# Altium PCB AGC_AD8317_ADL5330.PcbDoc
Units mm, origin at the board's own origin, x right, y up, seen from the top; angles counter-clockwise.
Board outline 59.72 x 37.39 mm, 4 copper layers (Top Layer, Layer 1, Layer 2, Bottom Layer), stack 0.603 mm thick; 69 components, 47 nets, 245 pads, 168 vias.
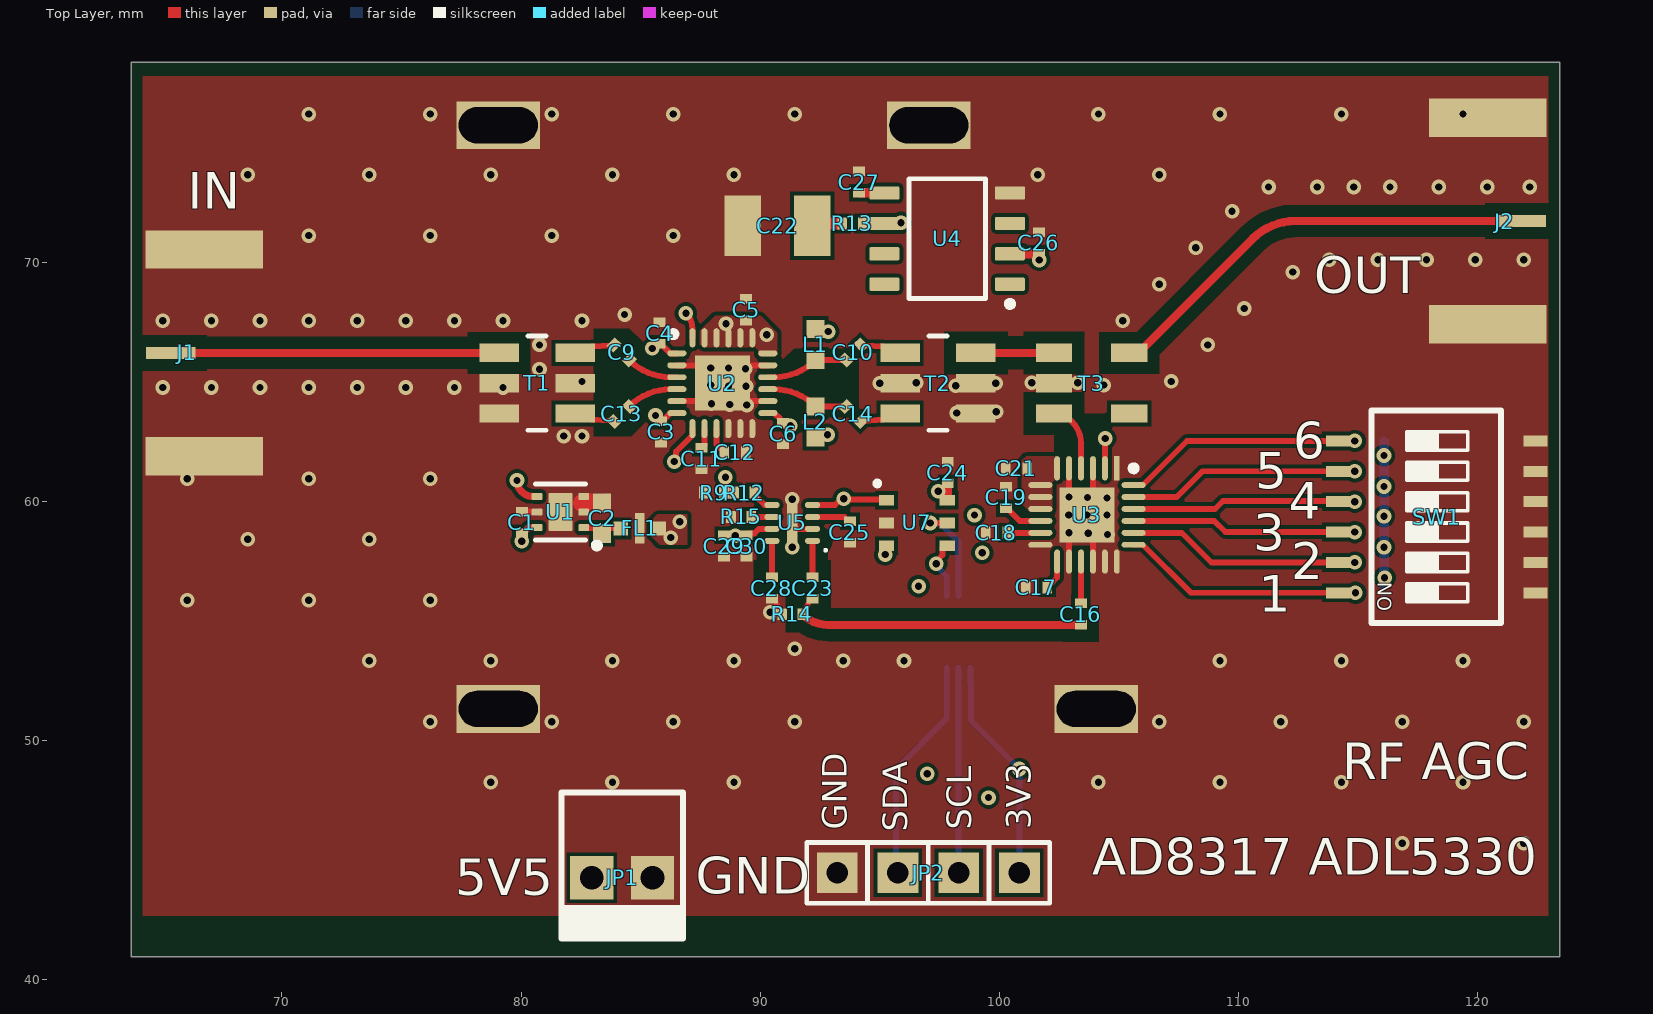
[diagram p0: Top Layer view]
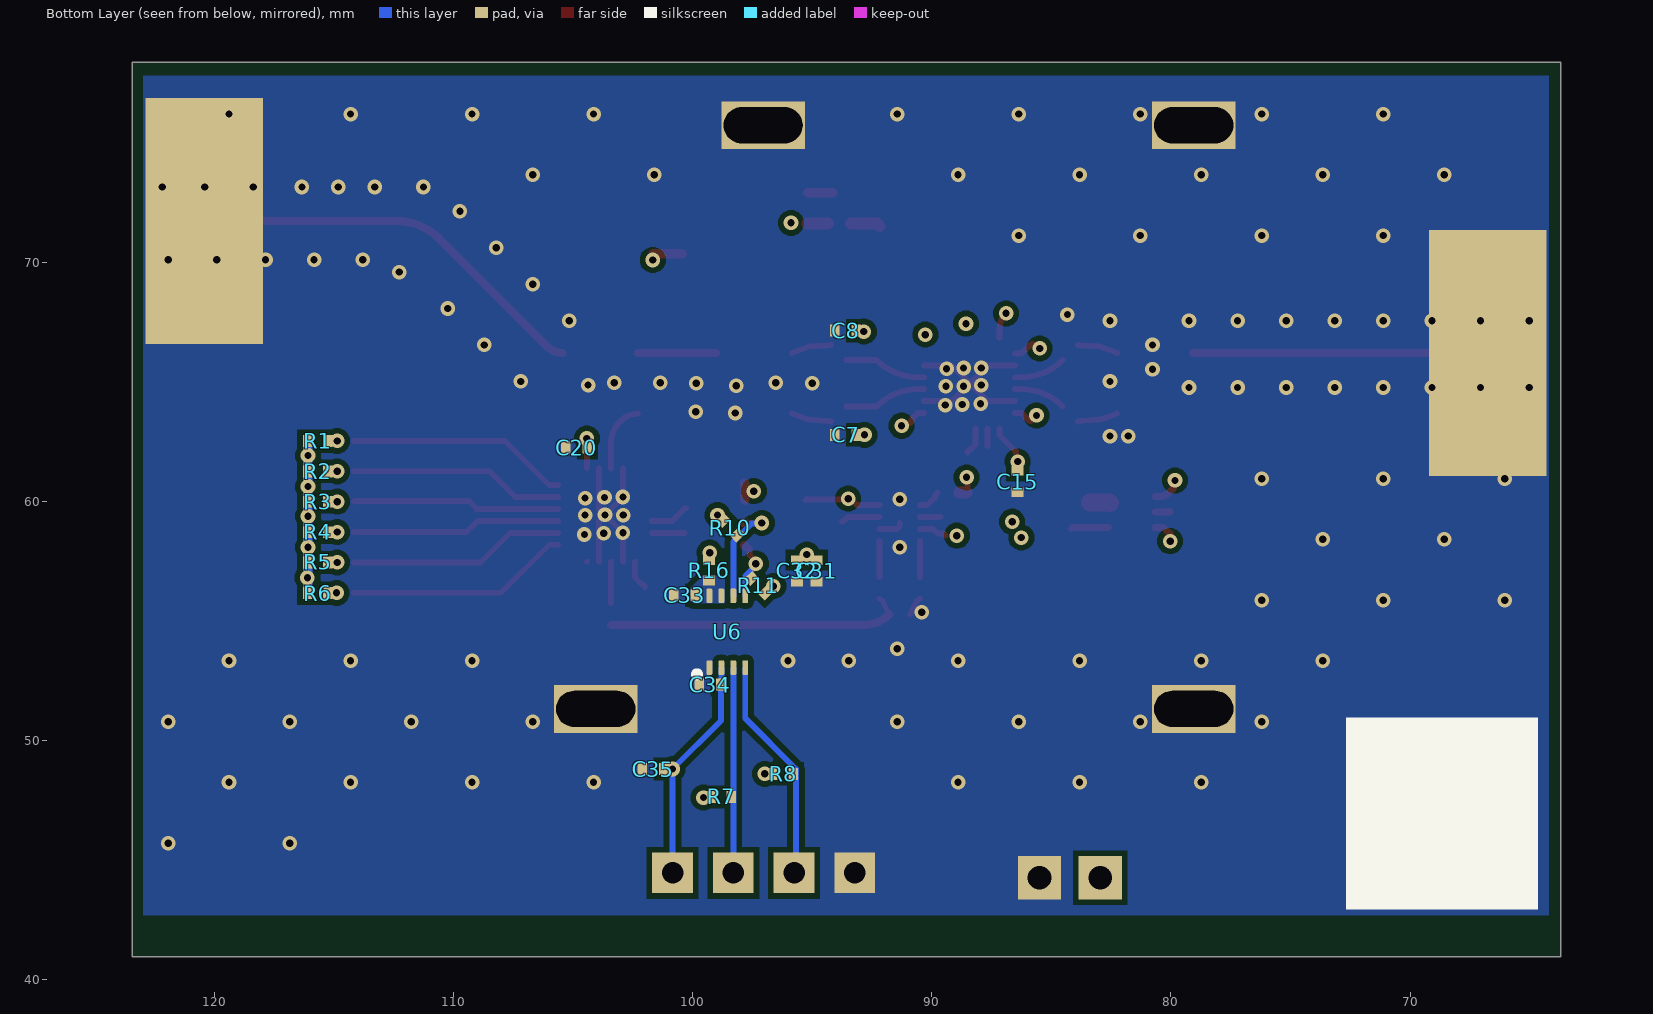
[diagram p1: Bottom Layer view, seen from below]
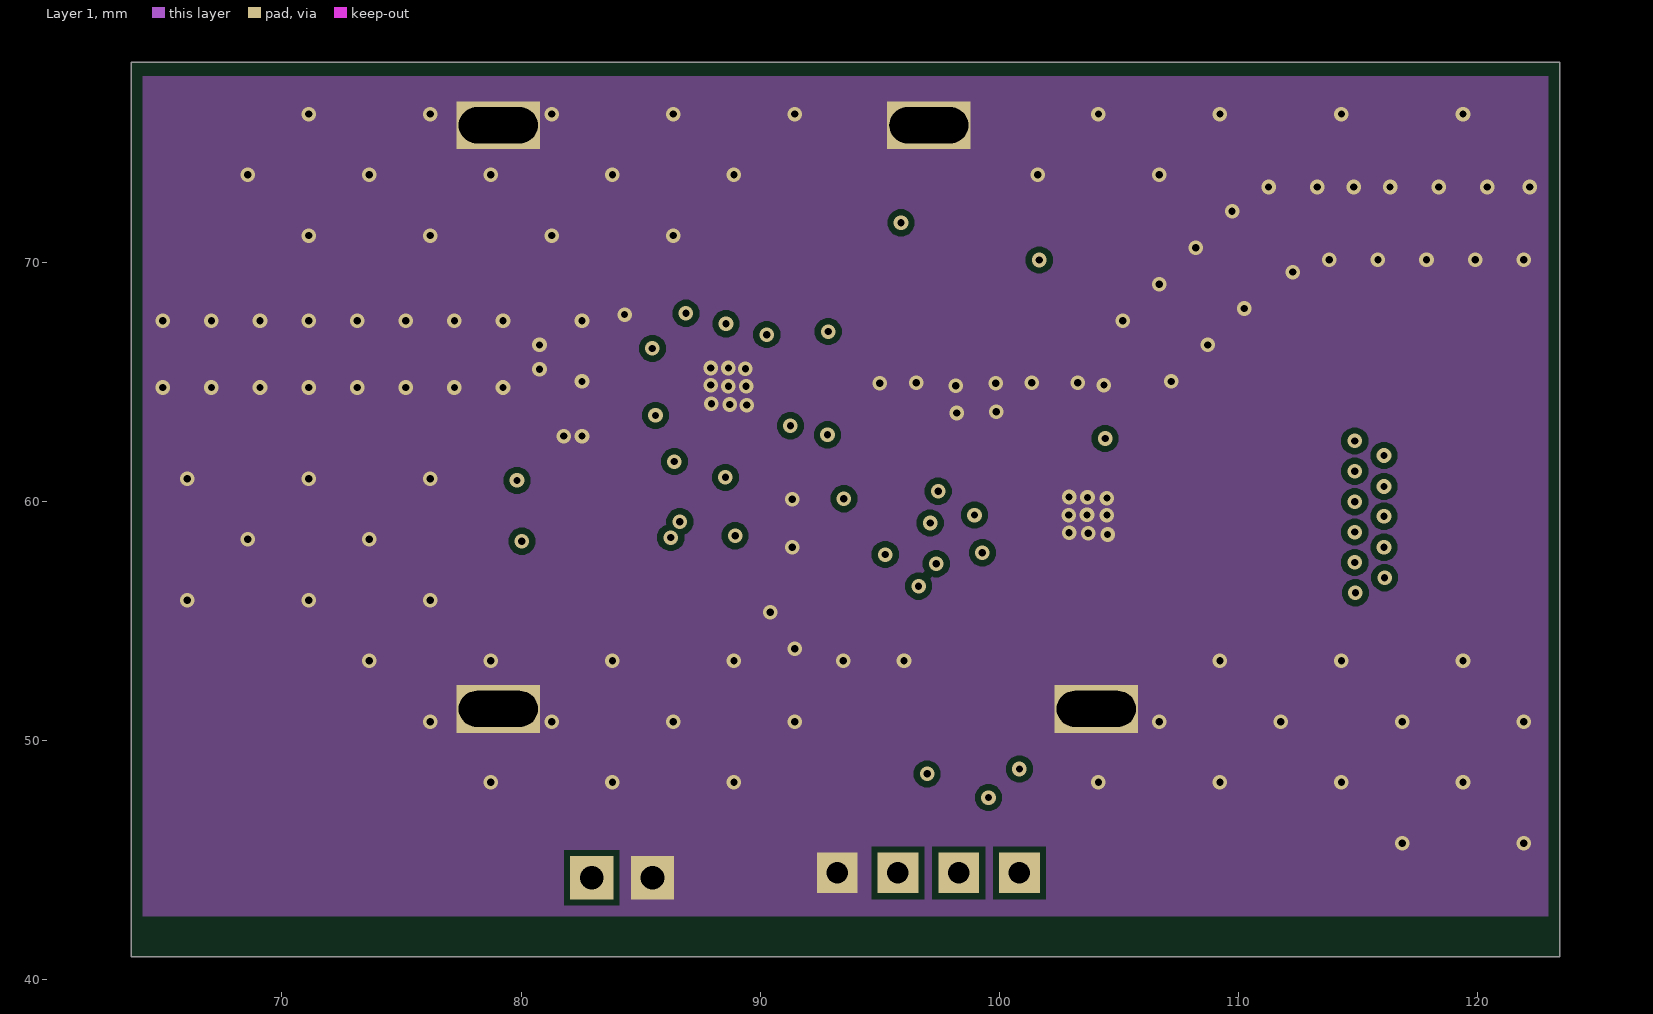
[diagram p2: Layer 1]
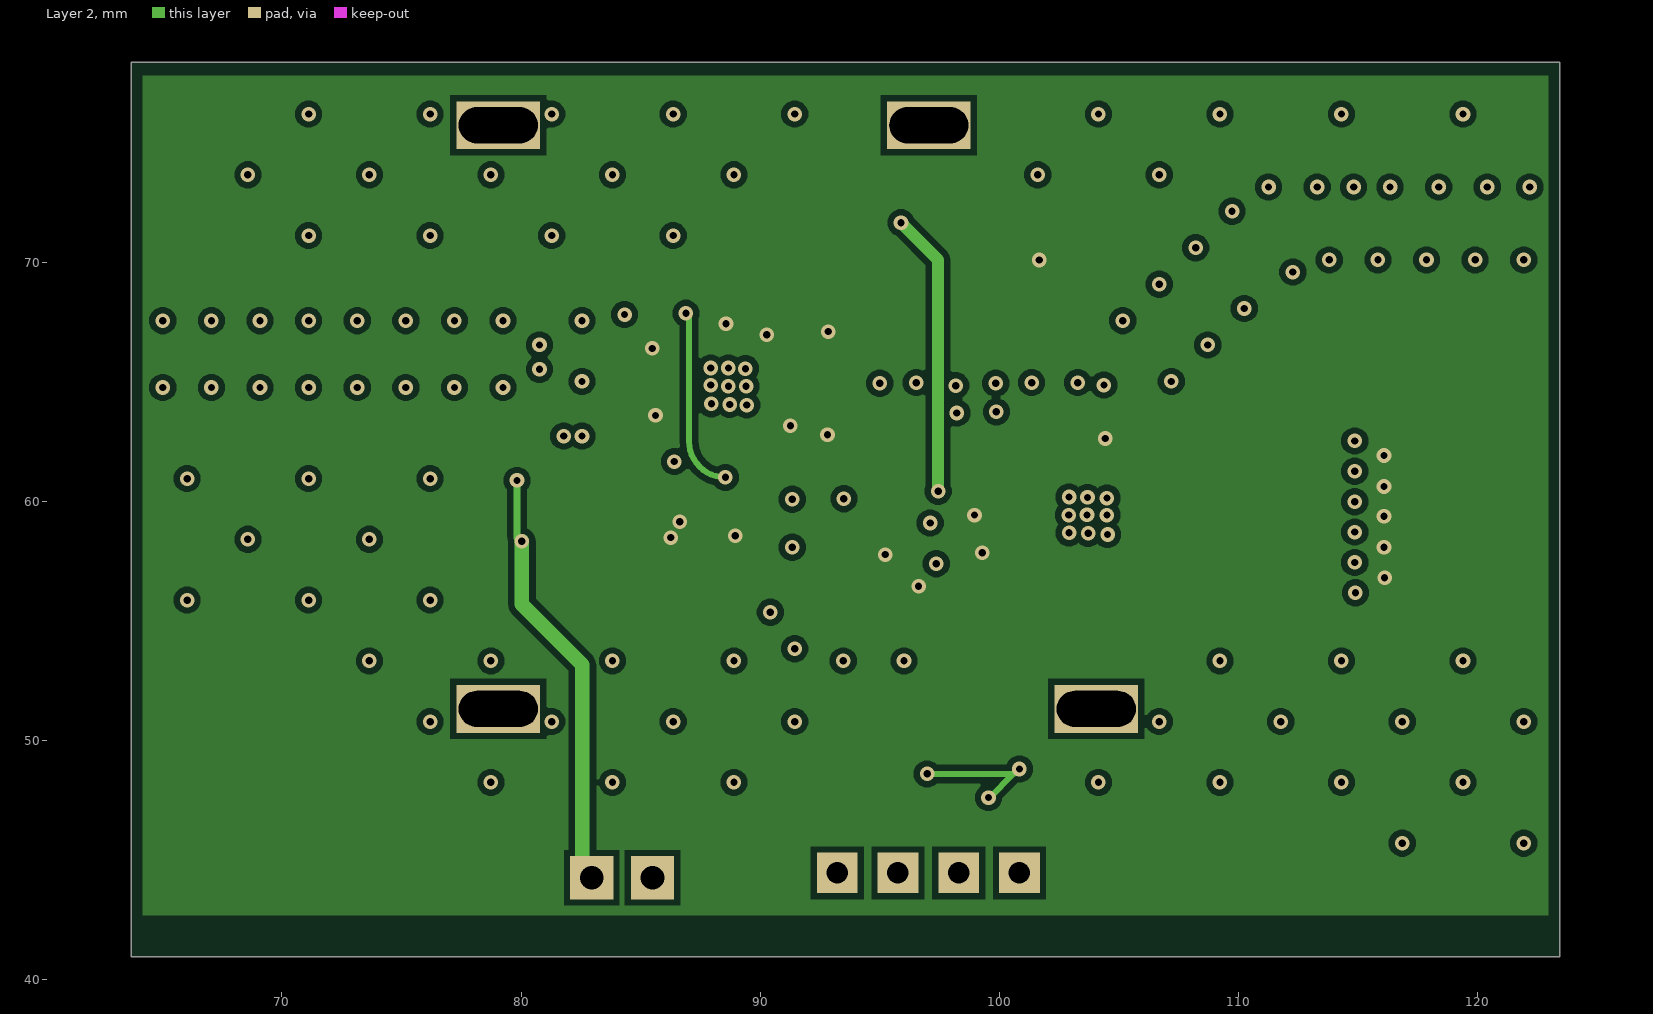
[diagram p3: Layer 2]

## Layer stack, top to bottom
Top Solder: solder mask 0.0102, Solder Resist, Dk 3.5
Top Layer: signal copper 0.0356
Dielectric 2: prepreg 0.0711, PP-006, Dk 4.1
Layer 1: signal copper 0.035
Dielectric 1: dielectric 0.32, FR-4, Dk 4.8
Layer 2: signal copper 0.035
Dielectric 3: prepreg 0.0711, PP-006, Dk 4.1
Bottom Layer: signal copper 0.0356
Bottom Solder: solder mask 0.0102, Solder Resist, Dk 3.5

## Board outline
63.703,40.97 63.703,78.359 123.419,78.359 123.419,40.97

## Design rules (kind name [scope] priority, off if disabled: settings)
Clearance Bottom_Layer [(InNet('GND') AND OnLayer('Bottom Layer'))] p1: gap=0.229 ignorepadtopadclearanceinfootprint=TRUE
Clearance Res_Ctrl [InNetClass('Res_Ctrl') vs (InPolygon AND InNet('GND'))] p2: gap=0.508 ignorepadtopadclearanceinfootprint=TRUE
Clearance Layer_2 [(InNet('+5') AND OnLayer('Layer 2'))] p3: gap=0.254 ignorepadtopadclearanceinfootprint=FALSE except(0: Arc-Hole Track-Hole SMDPad-Hole THPad-Hole Via-Hole Fill-Hole Poly-Hole Region-Hole Text-Hole)
Clearance Layer_1 [(InNet('GND') AND OnLayer('Layer 1'))] p4: gap=0.254 ignorepadtopadclearanceinfootprint=FALSE except(0: Arc-Hole Track-Hole SMDPad-Hole THPad-Hole Via-Hole Fill-Hole Poly-Hole Region-Hole Text-Hole)
Clearance [All] p5: gap=0.152 ignorepadtopadclearanceinfootprint=TRUE
PlaneConnect [All] p1: planeconnectstyle=Direct reliefexpansion=0.508 reliefentries=4 reliefconductorwidth=0.254 reliefairgap=0.254
PolygonConnect [All] p1: connectstyle=Direct reliefconductorwidth=0.254 reliefentries=4 polygonreliefangle="90 Angle" airgapwidth=0.254
RoutingVias [All] p1: holewidth=0.711 width=1.27 viastyle="Through Hole" minholewidth=0.711 minwidth=1.27 maxholewidth=0.711 maxwidth=1.27
SolderMaskExpansion [All] p1: expansion=0.102 istentingtop=FALSE
Width [All] p1: maxlimit=1.016 minlimit=0.203 preferedwidth=0.254
29 further rules are at their usual default settings.

## Classes and differential pairs
net class Res_Ctrl: ATT_IN ATT_OUT INHI_LOG INHI_VGA INLO_LOG INLO_VGA NetJ1_1 NetJ2_1 NetT2_1

## Components (designator, comment, footprint, x,y, rotation, side; value= is the part's Value field where it differs from the comment)
C1 "1uF" "C 0402_L" 80.035,59.131 r90 top
C2 "2.2uF" "C 0603_L" 83.388,59.309 r90 top
C3 "100pF" "C 0402_L" 85.852,62.916 r90 top
C4 "100pF" "C 0402_L" 85.796,67.044 r270 top
C5 "100nF" "C 0402_L" 89.408,68.021 r270 top
C6 "100pF" "C 0402_L" 90.957,62.84 r90 top
C7 "100pF" "C 0402_L" 93.599,62.789 r180 bottom
C8 "100pF" "C 0402_L" 93.599,67.148 r180 bottom
C9 "100pF" "C 0402_L" 84.211,66.234 r315 top
C10 "100pF" "C 0402_L" 93.894,66.234 r45 top
C11 "1nF" "C 0402_L" 87.554,61.798 r90 top
C12 "1nF" "C 0402_L" 88.951,62.052 r180 top
C13 "100pF" "C 0402_L" 84.211,63.661 r45 top
C14 "100pF" "C 0402_L" 93.894,63.661 r315 top
C15 "100pF" "C 0402_L" 86.411,60.833 r90 bottom
C16 "1nF" "C 0402_L" 103.403,55.296 r270 top
C17 "330pF" "C 0402_L" 101.549,56.413 r180 top
C18 "330pF" "C 0402_L" 99.873,58.699 r180 top
C19 "330pF" "C 0402_L" 100.279,60.173 r90 top
C20 "100nF" "C 0402_L" 104.851,62.255 r180 bottom
C21 "330pF" "C 0402_L" 100.711,61.392 r180 top
C22 "22uF" "C 1210_L" 90.729,71.526 r180 top
C23 "47nF" "C 0402_L" 92.188,56.382 r90 top
C24 "1uF" "C 0402_L" 97.841,61.214 r90 top
C25 "1nF" "C 0402_L" 93.751,58.725 r90 top
C26 "1uF" "C 0402_L" 101.651,70.815 r270 top
C27 "1uF" "C 0402_L" 94.132,73.355 r90 top
C28 "47nF" "C 0402_L" 90.488,56.382 r90 top
C29 "100nF" "C 0402_L" 88.494,58.141 r270 top
C30 "100pF" "C 0402_L" 89.433,58.141 r270 top
C31 "100nF" "C 0402_L" 94.818,57.099 r90 bottom
C32 "100pF" "C 0402_L" 95.631,57.099 r90 bottom
C33 "100nF" "C 0402_L" 100.33,56.083 r180 bottom
C34 "100nF" "C 0402_L" 99.263,52.349 r180 bottom
C35 "100nF" "C 0402_L" 101.651,48.819 r180 bottom
FL1 "NFM18PC104R1C3D" FIL_NFM18PC104R1C3D 84.963,58.877 r0 top
J1 "132414" CONN_132414_AMP 61.671,66.218 r90 top
J2 "132414" CONN_132414_AMP 125.501,71.73 r270 top
JP1 "HDR-1X2" KF2510-LI-2P 84.226,44.272 r180 top
JP2 "HDR-1X4" HDR2.54-LI-4P 97.028,44.475 r180 top
L1 "120nH" "R 0603_L" 92.306,66.566 r90 top
L2 "120nH" "R 0603_L" 92.306,63.329 r90 top
R1 "10K" "R 0402_L" 115.697,62.526 r180 bottom
R2 "10K" "R 0402_L" 115.697,61.264 r180 bottom
R3 "10K" "R 0402_L" 115.697,59.993 r180 bottom
R4 "10K" "R 0402_L" 115.697,58.718 r180 bottom
R5 "10K" "R 0402_L" 115.697,57.455 r180 bottom
R6 "10K" "R 0402_L" 115.697,56.175 r180 bottom
R7 "4.7k" "R 0402_L" 98.831,47.65 r180 bottom
R8 "4.7k" "R 0402_L" 96.241,48.616 r180 bottom
R9 "4.12K" "R 0402_L" 88.036,60.376 r0 top
R10 "4.7k" "R 0402_L" 98.45,58.928 r225 bottom
R11 "4.7k" "R 0402_L" 97.231,56.464 r45 bottom
R12 "10K" "R 0402_L" 89.306,60.376 r0 top
R13 "1" "R 0402_L" 93.878,71.628 r180 top
R14 "53.2" "R 0402_L" 91.316,55.289 r0 top
R15 "18K" "R 0402_L" 89.179,59.36 r0 top
R16 "200k" "R 0402_L" 99.314,57.099 r90 bottom
SW1 "SW-6P" "CSW1.27 SMD-6P" 118.262,59.36 r90 top
T1 "TC1-1-13M" FP-TC1-1-13M+-MFG 80.67,64.948 r270 top
T2 "TC1-1-13M" FP-TC1-1-13M+-MFG 97.432,64.948 r270 top
T3 "DBTC16-282LX+" FP-DBTC16-282LX+-MFG 103.858,64.948 r270 top
U1 "LP5912DRVT" FP-DRV0006A-MFG 81.645,59.563 r180 top
U2 "ADL5330ACPZ-REEL7" ADI-CP-24-2_L 88.417,64.948 r0 top
U3 "HMC472ALP4E" FP-HMC472ALP4E-IPC_A 103.661,59.441 r270 top
U4 "REF5025" D0008A_L 97.815,70.993 r180 top
U5 "AD8317ACPZ-R7" ADI-CP-8-1_L 91.338,59.106 r180 top
U6 "PCA9306DCUR" DCU0008A_L 98.548,54.558 r90 bottom
U7 "MCP4716A0T-E/CH" SOT23-6L 96.545,59.106 r0 top

## Footprints (in the part's own frame and the unit in brackets; to place one, negate y for a bottom-side part, rotate by r counter-clockwise, add the part's x,y. Pads: shape width x height; smd on the part's side, far side on the other; paste and mask are expansions set on the pad)
ADI-CP-8-1_L [mm] "SON, 8-Leads, Body 3x2mm, Pitch 0.5mm, Thermal Pad 1.75x0.45mm, IPC High Density"
  oval 0.635x0.25 smd mask+0: 1(-0.85,0.75) 2(-0.85,0.25) 3(-0.85,-0.25) 4(-0.85,-0.75) 5(0.85,-0.75) 6(0.85,-0.25) 7(0.85,0.25) 8(0.85,0.75)
  rect 0.45x1.75 smd mask+0: 9(0,0)
  silkscreen extent -1.45,1.09 -1.35,1.19, body extent -1,-1.5 1,1.5, height 0.8
ADI-CP-24-2_L [mm] "QFN, 24-Leads, Body 4x4mm, Pitch 0.5mm, Thermal Pad 2.3x2.3mm, IPC High Density"
  oval 0.8x0.25 smd mask+0: 1(-1.9,1.25) 2(-1.9,0.75) 3(-1.9,0.25) 4(-1.9,-0.25) 5(-1.9,-0.75) 6(-1.9,-1.25) 13(1.9,-1.25) 14(1.9,-0.75) 15(1.9,-0.25) 16(1.9,0.25) 17(1.9,0.75) 18(1.9,1.25)
  oval 0.25x0.8 smd mask+0: 7(-1.25,-1.9) 8(-0.75,-1.9) 9(-0.25,-1.9) 10(0.25,-1.9) 11(0.75,-1.9) 12(1.25,-1.9) 19(1.25,1.9) 20(0.75,1.9) 21(0.25,1.9) 22(-0.25,1.9) 23(-0.75,1.9) 24(-1.25,1.9)
  rect 2.3x2.3 smd mask+0: 25(0,0)
  silkscreen extent -2.17,1.93 -1.92,2.17, body extent -2.05,-2.05 2.05,2.05, height 0.8
"C 0402_L" [mm] "无极性贴片电容"
  rect 0.4x0.5 smd mask+0: 1(-0.45,0) 2(0.45,0)
  body extent -0.5,-0.26 0.5,0.26, height 0.53
"C 0603_L" [mil] "无极性贴片电容"
  rect 30x30 smd mask+0: 1(-25.59,0) 2(25.59,0)
  body extent -31,-16 31,16, height 32
"C 1210_L" [mm] "无极性贴片电容"
  rect 1.524x2.54 smd mask+0: 1(-1.45,0) 2(1.45,0)
  body extent -1.6,-1.29 1.6,1.29, height 1.54
CONN_132414_AMP [mil]
  rect 20x81 smd paste+0 mask+0: 1(0,-145)
  rect 63x193 smd mask+0: 2(-170,-200) 3(170,-200)
  rect 405x193 smd far side mask+0: 4(0,-200)
  body extent -188,-292 188,270, height 162
"CSW1.27 SMD-6P" [mil] "长：9.22mm，宽：5.4mm，高：2.3mm"
  rect 18x40 smd mask+0: 1(-125,-163.39) 2(-75,-163.39) 3(-25,-163.39) 4(25,-163.39) 5(75,-163.39) 6(125,-163.39) 7(125,161.61) 8(75,161.61) 9(25,161.61) 10(-25,161.61) 11(-75,161.61) 12(-125,161.61)
  silkscreen extent -175,-106 175,106, body extent -181,-171 181,171, height 93
D0008A_L [mm] "SOIC, 8-Leads, Body 5x4mm, Pitch 1.27mm, IPC High Density"
  rrect18% 1.25x0.55 smd mask+0: 1(-2.625,1.905) 2(-2.625,0.635) 3(-2.625,-0.635) 4(-2.625,-1.905) 5(2.625,-1.905) 6(2.625,-0.635) 7(2.625,0.635) 8(2.625,1.905)
  silkscreen extent -2.75,-2.5 1.6,2.85, body extent -3,-2.45 3,2.45, height 1.63
DCU0008A_L [mm] "SOP, 8-Leads, Body 2.4x2.1mm, Pitch 0.5mm, IPC High Density"
  rrect40% 0.6x0.25 smd mask+0: 1(-1.5,0.75) 2(-1.5,0.25) 3(-1.5,-0.25) 4(-1.5,-0.75) 5(1.5,-0.75) 6(1.5,-0.25) 7(1.5,0.25) 8(1.5,0.75)
  silkscreen extent -1.9,1.15 -1.65,1.4, body extent -1.56,-1 1.56,1, height 0.9
FIL_NFM18PC104R1C3D [mm]
  rect 0.6x0.6 smd mask+0: 1(-0.8,0) 3(0.8,0)
  rect 0.4x1.27 smd mask+0: 2(0,0)
  rect 0.4x1.27 on Top Solder mask+0: ""(0,0)
  body extent -0.8,-0.4 0.8,0.4, height 0.7
FP-DBTC16-282LX+-MFG [mil]
  rect 30x60 smd paste+0 mask+0: 1(50,-62) 2(0,-62) 3(-50,-62) 4(-50,62) 6(50,62)
  body extent -81,-96 81,96, height 10
FP-DRV0006A-MFG [mm]
  rrect33% 0.45x0.3 smd paste+0 mask+0: 1(-0.975,0.65) 2(-0.975,0) 3(-0.975,-0.65) 4(0.975,-0.65) 5(0.975,0) 6(0.975,0.65)
  rrect10% 1x1.6 smd paste-1000 mask+0: 7(0,0)
  silkscreen extent -1.65,-1.17 1.05,1.52, body extent -1.3,-1.15 1.3,1.15, height 0.25
FP-HMC472ALP4E-IPC_A [mm]
  rect 1.01x0.239 smd paste+0 mask+0: 1(-1.951,1.25)
  rrect100% 1.01x0.239 smd paste+0 mask+0: 2(-1.951,0.75) 3(-1.951,0.25) 4(-1.951,-0.25) 5(-1.951,-0.75) 6(-1.951,-1.25) 13(1.951,-1.25) 14(1.951,-0.75) 15(1.951,-0.25) 16(1.951,0.25) 17(1.951,0.75) 18(1.951,1.25)
  rrect100% 0.239x1.01 smd paste+0 mask+0: 7(-1.25,-1.951) 8(-0.75,-1.951) 9(-0.25,-1.951) 10(0.25,-1.951) 11(0.75,-1.951) 12(1.25,-1.951) 19(1.25,1.951) 20(0.75,1.951) 21(0.25,1.951) 22(-0.25,1.951) 23(-0.75,1.951) 24(-1.25,1.951)
  rect 2.286x2.286 smd paste-1000 mask+0: 25(0,0)
  silkscreen extent -2.08,1.83 -1.83,2.08, body extent -2.96,-2.96 2.96,2.96, height 0.25
FP-TC1-1-13M+-MFG [mil]
  rect 30x65 smd paste+0 mask+0: 1(-50,62.5) 2(0,62.5) 3(50,62.5) 4(50,-62.5) 5(0,-62.5) 6(-50,-62.5)
  silkscreen extent -78,-15 78,15, body extent -81,-99 81,99, height 10
HDR2.54-LI-4P [mm] "排针，4脚"
  rect 1.7x1.7 hole 0.9 mask+0: 1(-3.81,0) 2(-1.27,0) 3(1.27,0) 4(3.81,0)
  silkscreen extent -5.08,-1.27 5.08,1.27, body extent -5.08,-1.27 5.08,1.27, height 8.5
KF2510-LI-2P [mm] "接插件/2A"
  rect 1.8x1.8 hole 1 mask+0: 1(-1.27,0) 2(1.27,0)
  silkscreen extent -2.59,-3.56 2.54,2.54, body extent -2.54,-3.5 2.54,2.4, height 11.05
"R 0402_L" [mm] "1/16W贴片电阻 https://item.taobao.com/item.htm?ft=t&id=613637044352"
  rect 0.4x0.5 smd mask+0: 1(-0.4,0) 2(0.45,0)
  body extent -0.5,-0.25 0.5,0.25, height 0.3
"R 0603_L" [mil] "1/10W贴片电阻 https://item.taobao.com/item.htm?ft=t&id=613637044352"
  rect 30x30 smd mask+0: 1(-25.59,0) 2(25.59,0)
  body extent -31,-16 32,16, height 16
SOT23-6L [mm] "3x1.6x1.1mm(长宽高)"
  rect 0.635x0.45 smd mask+0: 1(-1.27,0.95) 2(-1.27,0) 3(-1.27,-0.95) 4(1.27,-0.95) 5(1.27,0) 6(1.27,0.95)
  silkscreen extent -1.75,1.55 -1.55,1.75, body extent -1.4,-1.5 1.4,1.5, height 1.15

## Part data
C1 C2 C3 C4 C5 C6 C7 C8 C9 C10 C11 C12 C13 C14 C15 C16 C17 C18 C19 C20 C21 C22 C23 C24 C25 C26 C27 C28 C29 C30 C31 C32 C33 C34 C35: library part C, "贴片电容", BOM名称=贴片电容, 下单链接=https://item.taobao.com/item.htm?ft=t&id=613637044352, 淘宝ID=小糖豆的小窝窝
FL1: "SMD Capacitor with Capacitance: 0.10uF Tol. 20%. Rated Voltage: 16Vdc", Package=NONSTANDARD, Digi-Key_Part_Number=490-6969-1-ND, Digi-Key_Purchase_URL=https://www.digikey.com/product-detail/en/murata-electronics/NFM18PC104R1C3D/490-6969-1-ND/3846166?utm_source=snapeda&utm_medium=aggregator&utm_campaign=symbol, MF=Murata, MP=NFM18PC104R1C3D, SnapEDA_Link=https://www.snapeda.com/parts/NFM18PC104R1C3D/Murata/view-part/4375738/?ref=snap
J1 J2: "No Description Available", Mfr_Name="Amphenol ICC", Copyright="Copyright (C) 2022 Ultra Librarian. All rights reserved.", Manufacturer_Part_Number=132414, RefDes=RefDes, Type=DEV
JP1: library part "Header 2", "2P接插件", BOM名称=2P接插件, 下单链接=https://item.taobao.com/item.htm?ft=t&id=613637044352, 淘宝ID=小糖豆的小窝窝
JP2: library part "Header 4", "4P接插件", BOM名称=4P接插件, 下单链接=https://item.taobao.com/item.htm?ft=t&id=613637044352, 淘宝ID=小糖豆的小窝窝
L1 L2: library part L-Wire, "高频绕线电感"
R1 R2 R3 R4 R5 R6 R7 R8 R9 R10 R11 R12 R13 R14 R15 R16: library part R, "贴片电阻", BOM名称=贴片电阻, 下单链接=https://item.taobao.com/item.htm?ft=t&id=613637044352, 淘宝ID=小糖豆的小窝窝
SW1: "6路编码开关", BOM名称=6路编码开关, 下单链接=https://item.taobao.com/item.htm?ft=t&id=613637044352, 淘宝ID=小糖豆的小窝窝
T1 T2: "RF Transformer 1: 1 5 Terminal SMD", RoHS Compliant=Yes
T3: "16.8 dB SMT Directional Coupler, 5 - 2850 MHz, 50Ω"
U1: "IC REG LINEAR 500MA 6SON", Dropout Voltage=950mV, Max Operating Temperature=125°C, Min Operating Temperature=-40°C, Output Current=500mA, Output Voltage=3.3V, Quiescent Current=30uA, Lead Free="Lead Free", Mount="Surface Mount", Number of Pins=6, Number of Regulators=1, Packaging="Tape and Reel", RoHS Compliant=Yes
U2: library part ADL5330ACPZ, "10 MHz to 3 GHz VGA with 60 dB Gain Control Range, 3GHz, CP-24-2, 1500 Reel, Pb-Free", Supply Current=215mA, 1 dB Comp Point=1.2dBm, Code_JEDEC=MO-220-VGGD-2, ComponentLink1Description="Manufacturer URL", ComponentLink1URL=www.analog.com, ComponentLink2Description=Datasheet, ComponentLink2URL=http://www.analog.com/static/imported-files/data_sheets/ADL5330.pdf, ComponentLink3Description="Package Specification", ComponentLink3URL=http://www.analog.com/static/imported-files/packages/588305704543880784658541CP_24_2.pdf, DatasheetVersion="Rev. A", Gain High End=22dB, Gain Low End=-34dB, Noise Figure=14.7dB, Output IP3=31dBm, PackageDescription="24-Lead Lead Frame Chip Scale Package [LFCSP_VQ]", PackageReference=CP-24-2, PackageVersion=Jan-2005, RF Frquency Range (MHz)=3GHz
U3: "RF ATTENUATOR 31.5DB 50OHM 24QFN", Manufacturer="Analog Devices", Max Frequency=3.8GHz, Package=LFCSP_VQ, Temperature="-40°C to +85°C", Temperature Range High=+85°C, Temperature Range Low=-40°C, Automotive=No, Category=IC, ComponentLink2Description=Datasheet, ComponentLink2URL=https://www.analog.com/media/en/technical-documentation/data-sheets/hmc472a.pdf, Device Class L1="Integrated Circuits (ICs)", Device Class L2="RF Semiconductors and Devices", Device Class L3=unset, Digikey Description="RF ATTENUATOR 31.5DB 50OHM 24QFN", Footprint Url=https://www.analog.com/media/en/package-pcb-resources/package/pkg_pdf/hittite-legacy-packages/HCP-24-2.pdf, Height=1mm, Ipc Land Pattern Name=QFN50P400X400X90-24, Lead Free=Yes, Manufacturer Part Number=HMC472ALP4E, Mouser Description="Attenuators 6 Bit 0.5 LSB dig atten", Octopart=https://octopart.com/hmc472alp4e-analog+devices-51966954, RoHS=TRUE, Standoff Height=0mm
U4: library part REF50, "Low Noise, Very Low Drift, Precision Voltage Reference, -40 to 125 degC, 8-pin MSOP(DGK), Green (RoHS & no Sb/Br)", Manufacturer="Texas Instruments", PartNumber=REF5025AIDGKT, Rating=Military, Temp Coeff(Max)(ppm/ degree C)=3, Code_JEDEC=MO-187, ComponentLink1Description="Manufacturer URL", ComponentLink1URL=http://www.ti.com/, ComponentLink2Description=Datasheet, ComponentLink2URL=http://www.ti.com/general/docs/lit/getliterature.tsp?genericPartNumber=REF5025&fileType=pdf, ComponentLink3Description="Package Specification", ComponentLink3URL=http://www.ti.com/litv/pdf/mpds028d, DatasheetVersion=SBOS410E, Eco-Plan="Green (RoHS & no Sb/Br)", Initial Accuracy @ 25/deg C(%)=0.05, Iout/Iz(Max)(mA)=10, Iq(Max)(uA)=1000, Mounting Technology="Surface Mount", PackageDescription="8-Pin Thin Small Outline Package 3 x 3 mm Body ,0.65 mm Pitch", PackageReference=DGK0008A, PackageVersion=4073329/E, SubFamily="Series Voltage Reference", VI(Max)(V)=18, VI(Min)(V)=2.7, VO(V)=2.5
U5: library part CMP-0284-00065-1, "1 MHz to 10 GHz, 55 dB Log Detector/Controller, 6ns Response Time, CP-8-1, Pb-Free, 3000 Reel", RF Frequency (MHz)="1 to 10000", Supply Current=22mA, Temp Stability (dB)=500mdB, Voltage Supply (V)="3 to 5.5", ComponentLink1Description="Manufacturer URL", ComponentLink1URL=www.analog.com, ComponentLink2Description=Datasheet, ComponentLink2URL=http://www.analog.com/static/imported-files/data_sheets/AD8317.pdf, ComponentLink3Description="Package Specification", ComponentLink3URL=http://www.analog.com/static/imported-files/packages/PKG_PDF/LFCSP(CP)/CP-8/CP_8_1.pdf, DatasheetVersion="Rev. B", Dynamic Range (dB)=55dB, PackageDescription="8-Lead Lead Frame Chip Scale Package [LFCSP_VD]", PackageReference=CP-8-1, PackageVersion=031207-A, Product Description="Available in Die", Response Time (ns typ)=6ns
U6: library part CMP-0314-00419-2, "Dual Bi-Directional I2C-Bus and SMBus Voltage Level-Translator, 0 to 5.5 V, -40 to 85 degC, 8-pin US8 (DCU), Green (RoHS & no Sb/Br)", 5V Tolerant I/O=Yes, Manufacturer="Texas Instruments", Max Frequency(kHz)=400, On-Chip Power-on-Reset=No, Rating=Catalog, Code_JEDEC=MO-187-CA, ComponentLink1Description=Datasheet, ComponentLink1URL=http://www.ti.com/general/docs/lit/getliterature.tsp?genericPartNumber=PCA9306&fileType=pdf, ComponentLink2Description="Package Specification", ComponentLink2URL=http://www.ti.com/litv/pdf/mpds050d, DatasheetVersion=SCPS113J, Eco-Plan="Green (RoHS & no Sb/Br)", Enable Pin=Yes, fSCLK(Max)(MHz)=400, Function="Voltage Translator", Mounting Technology="Surface Mount", No. of Outputs=2, Open Drain I/O Type=Yes, PackageDescription="8-Pin Thin Shrink Small Outline Package 0.5 mm Pitch", PackageReference=DCU0008A, PackageVersion="revF, Jul-2005", PartNumber=PCA9306DCUR, SubFamily="I2C Special Function", tpd max(ns)=1.5, Vcc range(V)="0 to 5.5"
U7: library part CMP-0188-01210-1, "10-Bit Voltage Output Digital-to-Analog Converter with EEPROM and I2C Interface, 6-Pin SOT-23, Extended Temperature, Tape and Reel", Code_IPC=SOT26A-6, ComponentLink1Description="Manufacturer URL", ComponentLink1URL=http://www.microchip.com/, ComponentLink2Description=Datasheet, ComponentLink2URL=http://ww1.microchip.com/downloads/en/DeviceDoc/22272B.pdf, ComponentLink3Description="Package Specification", ComponentLink3URL=http://www.microchip.com/stellent/groups/techpub_sg/documents/packagingspec/en012702.pdf, DatasheetVersion="revB, Sep-2011", PackageDescription="6-Lead Plastic Small Outline Transistor (CH) [SOT-23]", PackageReference=SOT-23-CH6, PackageVersion="revBB, Aug-2009"

## Free pads (board coordinates)
  rect 3.5x2 hole 1.5 slot 3.3 at 0 deg mask+0: ""(79.05,51.333) ""(79.05,75.733) ""(97.05,75.733) ""(104.05,51.333)

## Via types
v1: diameter 0.61, hole 0.305, Top Layer to Bottom Layer, tented both sides, 168 vias

## Nets (pads, with @x,y where several pads share a name; then routed paths per layer and width w, separated by ;. In a path a pad name is that pad's centre, name@x,y a point inside that pad or via, vN(x,y) a via of type N, cw(c..) or ccw(c..) an arc to the next point about the centre after c; other vN are vias at no path point)
+3.3: C34.2 C35.2 JP2.1 R7.1 R8.1 U6.2 | length 14.8
  Layer 2 w0.25: v1(96.977,48.616) 100.584,48.616 ; v1(99.543,47.625) 99.593,47.625 100.584,48.616 ; v1(100.838,48.819) 100.787,48.819 100.584,48.616
  Bottom Layer w0.25: U6.2 98.798,52.365 C34.2 98.813,50.844 v1(100.838,48.819) JP2.1
+5: C3.2 C4.2 C5.2 C6.2 C7.2 C8.2 C20.2 C26.2 C29.1 C30.1 C31.2 C32.2 FL1.3 L1.2 L2.1 R1.1 R2.1 R3.1 R4.1 R5.1 R6.1 R10.1 R11.1 R16.2 U2.1 U2.6 U2.13 U2.18 U2.19 U2.20 U2.21 U2.22 U2.23 U3.2 U4.2 U5.7 U7.3 | length 12.5
  Top Layer w0.239: U3.2 104.411,62.628 v1(104.419,62.636)
  Top Layer w0.25: C4.2 85.87,66.519 85.921,66.519 86.242,66.198 U2.1 ; C3.2 85.902,63.366 C3.2@85.977,63.441 ; C3.2@86.028,63.483 86.242,63.698 U2.6 ; C30.1 89.508,58.666 89.755,58.666 89.945,58.856 U5.7 ; U2.13 90.592,63.698 90.832,63.458 90.832,63.365 90.907,63.29 C6.2
  Top Layer w0.4: U4.2 100.448,70.365 C26.2
  Bottom Layer w0.4: R6.1 R5.1 R2.1 R1.1
  other v1: 96.622,56.464 116.103,56.82 95.225,57.785 99.289,57.861 116.078,58.09 86.258,58.496 88.951,58.572 86.639,59.157 116.078,59.385 98.958,59.436 116.078,60.63 116.078,61.925 92.812,62.789 91.262,63.17 85.623,63.602 85.492,66.403 90.272,66.98 92.841,67.107 88.57,67.437 101.664,70.099
ATT_IN: T3.1 U3.4 | length 2.9
  Top Layer w0.25: T3.1 cw(c102.283,62.689) 102.982,63.388 103.048,63.322 cw(c102.17,62.444) 103.411,62.444 U3.4
ATT_OUT: C16.2 C23.1 R14.2 | length 12.5
  Top Layer w0.239: R14.2 91.846,55.419 92.058,55.852 C23.1
  Top Layer w0.342: R14.2 ccw(c92.836,56.359) 92.836,54.846 C16.2
GAIN: R9.2 R12.1 U2.24 | length 9.8
  Top Layer w0.239: R9.2@88.515,60.409 R9.2@88.549,60.376 ; v1@88.515,60.982 v1(88.544,61.011)
  Top Layer w0.25: v1(86.893,67.869) cw(c86.232,67.207) 87.167,67.207 U2.24 ; R9.2@88.515,60.409 v1@88.515,60.982
  Top Layer w0.5: R9.2@88.549,60.376 R12.1@88.833,60.376
  Layer 2 w0.25: v1(86.893,67.869) cw(c86.893,67.742) 87.02,67.742 87.02,62.535 ccw(c88.544,62.535) v1(88.544,61.011)
GND: C1.2 C2.2 C3.1 C4.1 C5.1 C6.1 C7.1 C8.1 C11.1 C12.1 C15.1 C17.2 C18.2 C19.2 C20.1 C21.2 C22.2 C24.2 C25.1 C26.1 C27.2 C28.1 C29.2 C30.2 C31.1 C32.1 C33.1 C34.1 C35.1 FL1.2 J1.2 J1.3 J1.4 J2.2 J2.3 J2.4 JP1.1 JP2.4 pad. R9.1 R14.1 R15.1 SW1.1 SW1.2 SW1.3 SW1.4 SW1.5 SW1.6 T1.2 T1.4 T1.5 T2.2 T2.3 T2.5 T3.2 U1.2 U1.3 U1.5 U1.7 U2.2 U2.5 U2.10 U2.11 U2.12 U2.14 U2.17 U2.25 U3.1 U3.3 U3.5 U3.12 U3.14 U3.16 U3.17 U3.18 U3.25 U4.4 U5.2 U5.9 U6.1 U7.2 | length 20.8
  Top Layer w0.239: C28.1 90.619,55.852 90.836,55.419 R14.1 ; U5.9 91.338,58.961 U5.9@91.444,58.856 ; U3.14 v1(102.911,58.691) v1(103.661,59.441) ; v1(102.911,60.191) U3.5 ; U3.16 103.911,59.191 v1(103.661,59.441) ; U3.3 103.911,59.691 v1(103.661,59.441)
  Top Layer w0.25: U2.5 87.667,64.198 U2.25 ; U2.2 87.667,65.698 U2.25 ; U2.14 89.167,64.198 U2.25 ; U2.17 89.167,65.698 U2.25 ; U5.9@91.444,58.856 U5.2 ; v1(102.911,60.191) v1(103.661,59.441)
  Top Layer w0.3: C1.2 80.054,59.563 U1.5
  Top Layer w0.762: 82.55,59.944 82.565,59.959 C2.2
  other v1: 116.84,45.72 121.92,45.72 78.74,48.26 83.82,48.26 88.9,48.26 104.14,48.26 109.22,48.26 114.3,48.26 119.38,48.26 76.2,50.8 81.28,50.8 86.36,50.8 91.44,50.8 106.68,50.8 111.76,50.8 116.84,50.8 121.92,50.8 73.66,53.34 78.74,53.34 83.82,53.34 88.9,53.34 93.472,53.34 96.012,53.34 109.22,53.34 114.3,53.34 119.38,53.34 91.44,53.848 90.424,55.372 66.04,55.88 71.12,55.88 76.2,55.88 91.338,58.09 68.58,58.42 73.66,58.42 104.521,58.623 103.708,58.674 102.895,59.436 104.496,59.436 91.338,60.096 104.496,60.147 103.683,60.173 66.04,60.96 71.12,60.96 76.2,60.96 81.788,62.738 82.55,62.738 98.222,63.703 99.873,63.754 89.433,64.033 88.722,64.059 87.96,64.084 65.024,64.77 67.056,64.77 69.088,64.77 71.12,64.77 73.152,64.77 75.184,64.77 77.216,64.77 79.248,64.77 88.671,64.821 89.408,64.821 98.171,64.846 87.935,64.872 104.369,64.872 94.996,64.948 99.847,64.948 96.52,64.973 101.346,64.973 103.276,64.973 82.55,65.024 107.188,65.024 80.772,65.532 89.383,65.557 87.935,65.583 88.671,65.583 80.772,66.548 108.712,66.548 65.024,67.564 67.056,67.564 69.088,67.564 71.12,67.564 73.152,67.564 75.184,67.564 77.216,67.564 79.248,67.564 82.55,67.564 105.156,67.564 84.328,67.818 110.236,68.072 106.68,69.088 112.268,69.596 113.792,70.104 115.824,70.104 117.856,70.104 119.888,70.104 121.92,70.104 108.204,70.612 71.12,71.12 76.2,71.12 81.28,71.12 86.36,71.12 109.728,72.136 111.252,73.152 113.284,73.152 114.808,73.152 116.332,73.152 118.364,73.152 120.396,73.152 122.174,73.152 68.58,73.66 73.66,73.66 78.74,73.66 83.82,73.66 88.9,73.66 101.6,73.66 106.68,73.66 71.12,76.2 76.2,76.2 81.28,76.2 86.36,76.2 91.44,76.2 104.14,76.2 109.22,76.2 114.3,76.2 119.38,76.2
INHI_LOG: C23.2 U5.1 | length 1.5
  Top Layer w0.239: C23.2 U5.1
INHI_VGA: C9.2 U2.3 | length 2.2
  Top Layer w0.25: C9.2 ccw(c86.263,67.651) 86.263,65.198 U2.3
INLO_LOG: C28.2 U5.8 | length 1.5
  Top Layer w0.239: C28.2 U5.8
INLO_VGA: C13.2 U2.4 | length 2.2
  Top Layer w0.25: C13.2 cw(c86.263,62.245) 86.263,64.698 U2.4
NetC2_1: C2.1 FL1.1 U1.1 | length 1.6
  Top Layer w0.3: U1.1 84.127,58.913 FL1.1
NetC9_1: C9.1 T1.1 | length 1.7
  Top Layer w0.25: T1.1 82.958,66.474 83.751,66.517 C9.1
NetC10_2: C10.2 T2.6 | length 1.7
  Top Layer w0.25: C10.2 94.354,66.517 95.144,66.474 T2.6
NetC11_2: C11.2 U2.8 | length 0.7
  Top Layer w0.25: C11.2@87.663,62.331 87.667,62.335 U2.8
NetC12_2: C12.2 U2.9 | length 1.2
  Top Layer w0.25: U2.9 88.167,62.386 88.376,62.177 88.426,62.177 88.501,62.102 C12.2
NetC13_1: C13.1 T1.3 | length 1.7
  Top Layer w0.25: T1.3 82.958,63.422 83.751,63.378 C13.1
NetC14_2: C14.2 T2.4 | length 1.7
  Top Layer w0.25: C14.2 94.354,63.378 95.144,63.422 T2.4
NetC15_2: C15.2 U2.7 | length 1.7
  Top Layer w0.25: v1(86.411,61.671) 86.48,61.74 86.48,62.085 87.167,62.773 U2.7
NetC16_1: C16.1 U3.15 | length 1.7
  Top Layer w0.239: C16.1@103.411,55.746 U3.15
NetC17_1: C17.1 U3.13 | length 1.3
  Top Layer w0.239: C17.1 101.999,56.463 102.08,56.544 102.13,56.544 102.411,56.826 U3.13
NetC18_1: C18.1 U3.11 | length 1.4
  Top Layer w0.239: C18.1 100.332,58.691 U3.11
NetC19_1: C19.1 U3.10 | length 1.7
  Top Layer w0.239: C19.1 100.329,59.723 100.41,59.642 100.41,59.627 100.846,59.191 U3.10
NetC21_1: C21.1 U3.6 U3.7 U3.8 U3.9
NetC22_1: C22.1 R13.2 | length 1.2
  Top Layer w0.5: C22.1 92.28,71.628 R13.2@93.376,71.628
NetC25_2: C25.2 U5.3 | length 1.6
  Top Layer w0.25: U5.3 93.52,59.356 93.701,59.175 C25.2
NetC27_1: C27.1 U4.5 | length 1.1
  Top Layer w0.4: C27.1 U4.5@95.183,72.905
NetC33_2: C33.2 R16.1 U6.7 U6.8
NetJ1_1: J1.1 T1.6 | length 13.7
  Top Layer w0.342: J1.1 T1.6
NetJ2_1: J2.1 T3.4 | length 18.5
  Top Layer w0.342: T3.4 ccw(c105.432,67.145) 106.088,66.489 110.584,70.986 cw(c112.38,69.19) 112.38,71.73 J2.1
NetR12_2: R12.2 U5.5 | length 1
  Top Layer w0.25: R12.2 89.837,60.295 89.837,60.208 90.188,59.856 U5.5
NetR15_2: R15.2 U5.6 | length 0.9
  Top Layer w0.239: R15.2 R15.2@89.71,59.356
  Top Layer w0.25: R15.2@89.71,59.356 U5.6
NetT2_1: T2.1 T3.3 | length 3.9
  Top Layer w0.342: T2.1@99.673,66.218 T2.1 T3.3
OPHI: C10.1 L1.1 U2.16 | length 3.5
  Top Layer w0.25: U2.16 90.571,65.198 ccw(c90.571,67.651) L1.1 C10.1
OPLO: C14.1 L2.2 U2.15 | length 3.5
  Top Layer w0.25: U2.15 90.571,64.698 cw(c90.571,62.245) L2.2 C14.1
SCL_3V3: JP2.2 R7.2 U6.3 | length 8.6
  Bottom Layer w0.25: JP2.2 U6.3
SCL_5V: R10.2 U6.6 U7.5 | length 4.5
  Top Layer w0.25: v1(97.104,59.106) U7.5
  Bottom Layer w0.25: v1(97.104,59.106) 97.132,59.078 97.538,59.078 98.298,58.318 U6.6
SDA_3V3: JP2.3 R8.2 U6.4 | length 9.5
  Bottom Layer w0.25: JP2.3 95.682,44.552 95.682,48.819 97.798,50.935 U6.4
SDA_5V: R11.2 U6.5 U7.4 | length 2.5
  Top Layer w0.25: v1(97.358,57.404) 97.358,57.501 97.623,57.766 97.623,58.056 97.71,58.143 U7.4@97.803,58.143
  Top Layer w0.4: U7.4@97.803,58.143 U7.4
  Bottom Layer w0.25: v1(97.358,57.404) 97.358,57.322 97.798,56.882 U6.5
V1: R6.2 SW1.12 U3.19 | length 9.4
  Top Layer w0.239: U3.19 105.998,58.191 108.004,56.185 SW1.12
  other v1: 114.884,56.185
V2: R5.2 SW1.11 U3.20 | length 9.1
  Top Layer w0.239: U3.20 107.629,58.691 108.864,57.455 SW1.11
  other v1: 114.859,57.455
V3: R4.2 SW1.10 U3.21 | length 8.7
  Top Layer w0.239: U3.21 108.983,59.191 109.449,58.725 SW1.10
  other v1: 114.859,58.725
V4: R3.2 SW1.9 U3.22 | length 8.7
  Top Layer w0.239: U3.22 109.017,59.691 109.347,60.02 114.132,60.02 SW1.9
  other v1: 114.859,59.995
V5: R2.2 SW1.8 U3.23 | length 9
  Top Layer w0.239: U3.23 107.417,60.191 108.491,61.265 SW1.8
  other v1: 114.859,61.265
V6: R1.2 SW1.7 U3.24 | length 9.3
  Top Layer w0.239: U3.24 105.998,60.691 107.842,62.535 SW1.7
  other v1: 114.859,62.535
VIN: C1.1 JP1.2 U1.4 U1.6 | length 19.9
  Top Layer w0.3: v1(79.832,60.884) ccw(c80.503,60.884) 80.503,60.213 U1.4 ; C1.1 80.085,58.681 80.317,58.913 U1.6
  Layer 2 w0.3: v1(79.832,60.884) 79.832,58.547 ccw(c80.035,58.547) v1(80.035,58.344)
  Layer 2 w0.61: v1(80.035,58.344) 80.035,55.702 82.566,53.172 82.566,44.663 JP1.2
VREF: C24.1 R13.1 U4.6 U7.6 | length 13.5
  Top Layer w0.4: U7.6@97.819,60.053 U7.6 C24.1@97.816,60.764 ; C24.1@97.816,60.764 C24.1 C24.1@97.816,60.764
  Top Layer w0.5: R13.1@94.329,71.628 U4.6
  Layer 2 w0.5: v1(95.885,71.653) 97.438,70.1 v1(97.438,60.433)
VSET: U5.4 U7.1 | length 3.2
  Top Layer w0.239: U5.4 93.131,59.856 93.397,60.122 v1(93.497,60.122) 93.53,60.089 95.243,60.089 U7.1
pads on no net: FL1. T3.6 U4.1 U4.3 U4.7 U4.8

## Polygon pours and split planes (outlines as drawn)
GND on Top Layer "NONET_L-01_P-001" (solid, remove dead copper, pour order 10): 64.186,77.787 122.936,77.787 122.936,42.685 64.186,42.685 64.186,77.356
+5 on Top Layer "NONET_L-01_P-001" (solid, remove dead copper, pour order 6): 85.42,59.182 85.7,59.461 86.944,59.461 86.944,58.191 85.801,58.191 85.42,58.572
GND on Top Layer "NONET_L-01_P-001" (solid, remove dead copper, pour order 3): 82.398,59.411 82.169,59.182 82.169,58.75 81.128,58.75 81.128,59.233 80.975,59.385 80.493,59.385 80.416,59.461 80.416,59.69 80.467,59.741 80.975,59.741 81.128,59.893 81.128,60.325 81.178,60.376 82.829,60.376 82.855,60.35 82.855,59.436 82.829,59.411
NetC21_1 on Top Layer "NONET_L-01_P-001" (solid, remove dead copper, pour order 1): 101.275,59.571 102.145,59.571 102.216,59.642 102.216,60.81 102.293,60.887 102.462,60.887 102.531,60.956 102.531,61.826 102.461,61.897 101.114,61.897 100.94,61.722 100.94,59.906
+5 on Top Layer "NONET_L-01_P-001" (solid, remove dead copper, pour order 0): 87.478,66.585 87.615,66.448 89.788,66.448 89.917,66.319 89.917,66.147 89.991,66.073 90.644,66.073 90.717,66.146 90.717,67.067 90.018,67.767 88.113,67.767 87.478,67.132
GND on Bottom Layer "NONET_L-01_P-001" (solid, remove dead copper, pour order 11): 64.211,77.8 122.961,77.8 122.961,42.697 64.211,42.697 64.211,77.368
NetC33_2 on Bottom Layer "NONET_L-01_P-001" (solid, remove dead copper, pour order 5): 98.654,55.753 100,55.753 100.076,55.829 100.076,56.388 99.568,56.896 98.654,56.896
GND on Layer 1 "NONET_L-01_P-001" (solid, remove dead copper, pour order 8): 64.186,77.775 122.936,77.775 122.936,42.672 64.186,42.672 64.186,77.343
no net on Bottom Overlay "NONET_L-01_P-001" (solid): 64.669,42.965 64.669,50.965 72.669,50.965 72.669,42.965
+5 on Layer 2 "NONET_L-01_P-001" (solid, remove dead copper, pour order 9): 64.186,77.8 122.936,77.8 122.936,42.697 64.186,42.697 64.186,77.368

## Other copper
Top Layer:
  pour cut-out: 103.022,58.157 103.022,55.55 103.791,55.55 103.791,58.157
  pour cut-out: 91.846,58.508 91.846,56.554 92.507,56.554 92.507,58.508
  pour cut-out: 90.158,58.505 90.158,56.552 90.819,56.552 90.819,58.505
  pour cut-out: 102.283,63.678 102.283,61.192 102.286,61.189 104.419,61.189 104.419,63.678
  pour cut-out: 94.11,63.525 94.11,66.396 91.415,66.396 90.894,65.875 90.005,65.875 89.878,65.748 89.878,64.148 90.056,63.97 90.97,63.97 91.415,63.525
  pour cut-out: 83.033,67.234 83.033,62.738 84.607,62.738 85.903,64.033 86.792,64.033 86.919,64.16 86.919,65.761 86.741,65.938 85.827,65.938 84.531,67.234

## Silkscreen, mask and mechanical layers (free items; w line width, h text height)
Top Overlay:
  text "IN" at 66.065,72.238 h1.52
  text "OUT" at 113.157,68.707 h1.52
  text "6" at 112.293,61.798 h1.52
  text "5" at 110.693,60.528 h1.52
  text "4" at 112.09,59.284 h1.52
  text "3" at 110.617,57.937 h1.52
  text "2" at 112.192,56.744 h1.52
  text "1" at 110.846,55.397 h1.52
  text "RF AGC" at 114.325,48.387 h1.52
  text "3V3" at 101.321,46.304 h1.02 r90
  text "GND" at 93.624,46.279 h1.02 r90
  text "SCL" at 98.831,46.279 h1.02 r90
  text "SDA" at 96.139,46.203 h1.02 r90
  text "AD8317 ADL5330" at 103.886,44.399 h1.52
  text "GND" at 87.3,43.612 h1.52
  text "5V5" at 77.241,43.536 h1.52
Top Solder:
  lines w2: 73.05,60.325 73.05,51.333 110.19,51.333 ; 73.05,70.942 73.05,75.733 110.19,75.733
Mechanical 1:
  the board outline again, w0.254

## Text inside footprints (layer, text, board x,y; h text height)
SW1: Top Overlay "ON" at 116.611,55.423 h1 r90